# KiCad board oibus-mini-CCC_PANEL.kicad_pcb (continued)
## Routing (per net, layer and track width the routed paths; a pad name or vN(x,y) marks a point on that pad's centre or on a via; arc(x,y) is an arc through that point) (continued)
; C16#18.2 145.25,170.15 Y1#21.4 ; C16#18.2 144.35,168.26 v2(144.3,168.21) ; v2(139.9,158.01) 139.51,157.62 C15#18.1 ; Y1#21.2 146.82,172.37 C17#22.1 146.55,174.26 146.1,174.71 ; U2#22.5 189,180.89 v2(189.05,180.94) ; R23#18.2 v2(199.3,181.31) ; v2(190.8,181.01) 190.9,180.91 U2#22.4 ; v2(197.8,180.81) 197.8,180.66 196.6,179.46 U2#22.1 ; v2(220.75,159.46) 220.79,159.5 C25#18.2 ; U3#22.12 177,189.91 176.57,189.48 U3#22.EGP10 v2(177.6,187.21) ; U8#20.35 168.45,166.26 C19#20.1 166.9,165.41 v2(166.5,165.01) ; C6#22.1 v2(182,150.51) ; v2(183.6,155.01) 183.9,154.71 D5#18.1 ; v2(179.7,158.41) 179.4,158.41 179.03,158.78 U7#20.2 ; U2#18.6 v2(151.1,176.51) ; v2(171.77,174.28) 171.89,174.16 U8#20.23 ; v2(168.1,173.91) 167.96,173.77 C20#20.1 ; v2(161,166.51) 160.6,166.11 U2#18.15 ; v2(164.2,169.11) 164,168.91 U2#18.16 ; v2(150.8,168.91) U2#18.10 149.2,167.96 148.8,167.56 ; v2(152.4,164.31) 152,164.71 U2#18.11 ; v2(152.4,164.31) 152.5,164.21 ; v2(152.4,164.31) 152.71,164 C13#22.2 ; H2#18.4 163.05,145.06 C9#18.1 165.3,147.97 165.3,146.81 v2(165.1,146.61) ; J2#22.6 J2#22.6 ; J2#22.6 J2#22.6 ; v2(154.24,143.08) 154.12,143.21 J2#22.5 J2#22.6 ; v2(154.24,143.08) 153.46,143.21 ; v2(154.24,143.08) 154.34,143.21 154.85,143.21 155.3,143.66 U10#22.3 ; C26#22.1 v2(184.4,166.51) ; C26#22.1 183.79,166.72 C16#20.2 ; C26#22.1 183.8,166.5 ; v2(177.74,161.41) 177.14,162.01 C21#20.1 176.39,162.63 U8#20.47 ; v2(175.1,145.41) 175.2,145.51 D6#20.3 ; v2(163.98,175.45) 163.98,176.02 163.5,176.51 U2#18.20 ; 177.72,187.08 v2(177.6,187.21) ; v2(177.6,187.21) 177.72,187.33 U3#22.EGP9 ; v2(177.6,187.21) 177.47,187.08 U3#22.EGP7 ; v2(177.75,184.61) 177.57,184.78 U3#22.EGP1 U3#22.EGP4 U3#22.EGP3 ; v4(176.7,139.61) 177.2,140.11 C14#20.1 ; 188,153.06 188.95,153.06 189.2,152.81 189.45,153.06 190.4,153.06 ; v2(198.2,155.61) 197.8,155.21 R5#21.2 ; 188.35,153.06 188.3,153.01 ; U6#22.9 189,153.51 189.05,153.56 U6#22.8 ; C16#20.2 182.25,170.15 Y1#20.4 ; C16#20.2 181.35,168.26 v2(181.3,168.21) ; v2(176.9,158.01) 176.51,157.62 C15#20.1 ; Y1#20.2 183.82,172.37 C17#20.1 183.55,174.26 183.1,174.71 ; C22#20.1 C23#20.1 181.74,177.55 v2(182.4,178.21) ; v2(183.1,190.8) 183.79,190.11 C5#22.1 ; v2(178.9,182.11) 178.88,182.08 U3#22.30 U3#22.53 ; v2(173.2,182.21) 173.32,182.08 U3#22.26 ; U3#22.14 175,189.81 175.43,189.38 U3#22.EGP11 175.32,188.23 v2(174.3,187.21) ; v2(183.75,159.46) 183.79,159.5 C25#22.2 ; 153.4,153.06 152.45,153.06 152.2,152.81 151.95,153.06 151,153.06 ; U6#21.8 152.05,153.56 152,153.51 U6#21.9 ; U3#22.6 180.53,187.01 v2(181.35,187.83) ; v2(165.6,157.96) 165.53,158.03 P1#20.3 ; U8#20.8 177.14,169.26 v2(176.64,169.76) ; R8#18.2 149.6,188.21 v2(149.7,188.31) ; U2#18.1 159.6,179.46 160.8,180.66 v2(160.8,180.81) ; v2(152.8,160.01) 153,159.81 C18#20.2 ; v2(151.2,158.21) 150.18,158.21 149.08,159.31 SW2#22.2 ; R5#22.2 160.8,155.21 v2(161.2,155.61) ; 148.8,167.56 148.8,164.99 149.08,164.71 SW2#22.2 ; 148.8,167.56 149.2,167.56 v2(149.35,167.41) ; 151.35,153.06 151.3,153.01 ; U2#18.4 153.9,180.91 v2(153.8,181.01) ; R23#22.2 v2(162.3,181.31) ; v2(152.05,180.94) 152,180.89 U2#18.5 ; v2(174.3,187.21) 174.28,187.23 U3#22.EGP12 ; v2(174.3,187.21) 174.43,187.08 U3#22.EGP8 ; v2(189.8,160.01) 190,159.81 C18#19.2 ; SW2#18.2 186.08,159.31 187.18,158.21 v2(188.2,158.21) ; 185.8,167.56 185.8,164.99 186.08,164.71 SW2#18.2 ; 185.8,167.56 186.2,167.96 U2#22.10 v2(187.8,168.91) ; 185.8,167.56 186.2,167.56 v2(186.35,167.41) ; U3#21.6 217.53,187.01 v2(218.35,187.83) ; v2(202.6,157.96) 202.53,158.03 P1#19.3 ; v2(213.64,169.76) 214.14,169.26 U8#23.8 ; v2(214.75,184.61) 214.57,184.78 U3#21.EGP1 U3#21.EGP4 U3#21.EGP3 ; v4(213.7,139.61) 214.2,140.11 C14#19.1 ; R8#22.2 186.6,188.21 v2(186.7,188.31) ; U3#21.14 212,189.81 212.43,189.38 U3#21.EGP11 212.32,188.23 v2(211.3,187.21) ; v2(189.4,164.31) 189.71,164 C13#18.2 ; v2(189.4,164.31) 189,164.71 U2#22.11 ; v2(189.4,164.31) 189.5,164.21 ; U3#25.12 251,189.91 250.57,189.48 U3#25.EGP10 v2(251.6,187.21) ; U8#26.35 242.45,166.26 C19#26.1 240.9,165.41 v2(240.5,165.01) ; C6#25.1 v2(256,150.51) ; v2(257.6,155.01) 257.9,154.71 D5#24.1 ; v2(253.7,158.41) 253.4,158.41 253.03,158.78 U7#26.2 ; U2#24.6 v2(225.1,176.51) ; v2(245.77,174.28) 245.89,174.16 U8#26.23 ; v2(242.1,173.91) 241.96,173.77 C20#26.1 ; v2(235,166.51) 234.6,166.11 U2#24.15 ; v2(238.2,169.11) 238,168.91 U2#24.16 ; v2(224.8,168.91) U2#24.10 223.2,167.96 222.8,167.56 ; v2(226.4,164.31) 226,164.71 U2#24.11 ; v2(226.4,164.31) 226.5,164.21 ; v2(226.4,164.31) 226.71,164 C13#24.2 ; H2#24.4 237.05,145.06 C9#23.1 239.3,147.97 239.3,146.81 v2(239.1,146.61) ; J2#25.6 J2#25.6 ; J2#25.6 J2#25.6 ; v2(228.24,143.08) 228.12,143.21 J2#25.5 J2#25.6 ; v2(228.24,143.08) 227.46,143.21 ; v2(228.24,143.08) 228.34,143.21 228.85,143.21 229.3,143.66 U10#25.3 ; C26#25.1 v2(258.4,166.51) ; C26#25.1 257.79,166.72 C16#26.2 ; C26#25.1 257.8,166.5 ; v2(251.74,161.41) 251.14,162.01 C21#26.1 250.39,162.63 U8#26.47 ; v2(249.1,145.41) 249.2,145.51 D6#26.3 ; v2(237.98,175.45) 237.98,176.02 237.5,176.51 U2#24.20 ; 251.72,187.08 v2(251.6,187.21) ; v2(251.6,187.21) 251.47,187.08 U3#25.EGP7 ; v2(251.6,187.21) 251.72,187.33 U3#25.EGP9 ; v2(251.75,184.61) 251.57,184.78 U3#25.EGP1 U3#25.EGP4 U3#25.EGP3 ; v4(250.7,139.61) 251.2,140.11 C14#26.1 ; 262,153.06 262.95,153.06 263.2,152.81 263.45,153.06 264.4,153.06 ; v2(272.2,155.61) 271.8,155.21 R5#24.2 ; 262.35,153.06 262.3,153.01 ; U2#25.5 263,180.89 v2(263.05,180.94) ; R23#24.2 v2(273.3,181.31) ; v2(264.8,181.01) 264.9,180.91 U2#25.4 ; v2(271.8,180.81) 271.8,180.66 270.6,179.46 U2#25.1 ; v2(294.75,159.46) 294.79,159.5 C25#24.2 ; C26#18.1 220.79,166.72 C16#23.2 ; C26#18.1 220.8,166.5 ; C26#18.1 v2(221.4,166.51) ; C16#23.2 219.25,170.15 Y1#19.4 ; C16#23.2 218.35,168.26 v2(218.3,168.21) ; U10#18.3 192.3,143.66 191.85,143.21 191.34,143.21 v2(191.24,143.08) ; v2(213.9,158.01) 213.51,157.62 C15#23.1 ; U8#23.47 213.39,162.63 C21#23.1 214.14,162.01 v2(214.74,161.41) ; Y1#19.2 220.82,172.37 C17#19.1 220.55,174.26 220.1,174.71 ; U8#23.23 208.89,174.16 v2(208.77,174.28) ; v2(205.1,173.91) 204.96,173.77 C20#19.1 ; v2(198,166.51) 197.6,166.11 U2#22.15 ; v2(201.2,169.11) 201,168.91 U2#22.16 ; H2#22.4 200.05,145.06 C9#22.1 202.3,147.97 202.3,146.81 v2(202.1,146.61) ; J2#18.6 J2#18.6 ; J2#18.6 J2#18.6 ; v2(191.24,143.08) 191.12,143.21 J2#18.5 J2#18.6 ; v2(191.24,143.08) 190.46,143.21 ; v2(212.1,145.41) 212.2,145.51 D6#19.3 ; v2(200.98,175.45) 200.98,176.02 200.5,176.51 U2#22.20 ; 214.72,187.08 v2(214.6,187.21) ; v2(214.6,187.21) 214.72,187.33 U3#21.EGP9 ; v2(214.6,187.21) U3#21.EGP10 213.57,189.48 214,189.91 U3#21.12 ; v2(214.6,187.21) 214.47,187.08 U3#21.EGP7 ; U8#23.35 205.45,166.26 C19#22.1 203.9,165.41 v2(203.5,165.01) ; C22#19.1 C23#19.1 218.74,177.55 v2(219.4,178.21) ; v2(220.1,190.8) 220.79,190.11 C5#21.1 ; v2(215.9,182.11) 215.88,182.08 U3#21.30 U3#21.53 ; v2(210.2,182.21) 210.32,182.08 U3#21.26 ; v2(211.3,187.21) 211.28,187.23 U3#21.EGP12 ; v2(211.3,187.21) 211.43,187.08 U3#21.EGP8 ; C6#18.1 v2(219,150.51) ; v2(220.6,155.01) 220.9,154.71 D5#22.1 ; v2(216.7,158.41) 216.4,158.41 216.03,158.78 U7#19.2 ; U2#22.6 v2(188.1,176.51) ; U3#24.6 291.53,187.01 v2(292.35,187.83) ; v2(260.35,167.41) 260.2,167.56 259.8,167.56 ; 259.8,167.56 260.2,167.96 U2#25.10 v2(261.8,168.91) ; 259.8,167.56 259.8,164.99 260.08,164.71 SW2#23.2 ; v2(276.6,157.96) 276.53,158.03 P1#25.3 ; v2(287.64,169.76) 288.14,169.26 U8#27.8 ; v2(263.8,160.01) 264,159.81 C18#25.2 ; SW2#23.2 260.08,159.31 261.18,158.21 v2(262.2,158.21) ; v2(227.8,181.01) 227.9,180.91 U2#24.4 ; R23#25.2 v2(236.3,181.31) ; v2(234.8,180.81) 234.8,180.66 233.6,179.46 U2#24.1 ; v2(226.05,180.94) 226,180.89 U2#24.5 ; v2(248.3,187.21) 248.28,187.23 U3#25.EGP12 ; v2(248.3,187.21) 248.43,187.08 U3#25.EGP8 ; v2(248.3,187.21) 249.32,188.23 U3#25.EGP11 249.43,189.38 249,189.81 U3#25.14 ; R8#24.2 223.6,188.21 v2(223.7,188.31) ; v2(226.8,160.01) 227,159.81 C18#26.2 ; v2(225.2,158.21) 224.18,158.21 223.08,159.31 SW2#24.2 ; R5#25.2 234.8,155.21 v2(235.2,155.61) ; U6#25.9 226,153.51 226.05,153.56 U6#25.8 ; 222.8,167.56 222.8,164.99 223.08,164.71 SW2#24.2 ; 222.8,167.56 223.2,167.56 v2(223.35,167.41) ; 225.35,153.06 225.3,153.01 ; 225,153.06 225.95,153.06 226.2,152.81 226.45,153.06 227.4,153.06 ; v2(257.75,159.46) 257.79,159.5 C25#25.2 ; U3#25.6 254.53,187.01 v2(255.35,187.83) ; v2(239.6,157.96) 239.53,158.03 P1#26.3 ; U8#26.8 251.14,169.26 v2(250.64,169.76) ; U6#26.9 263,153.51 263.05,153.56 U6#26.8 ; C16#26.2 256.25,170.15 Y1#26.4 ; C16#26.2 255.35,168.26 v2(255.3,168.21) ; v2(250.9,158.01) 250.51,157.62 C15#26.1 ; Y1#26.2 257.82,172.37 C17#26.1 257.55,174.26 257.1,174.71 ; C22#26.1 C23#26.1 255.74,177.55 v2(256.4,178.21) ; v2(257.1,190.8) 257.79,190.11 C5#25.1 ; v2(252.9,182.11) 252.88,182.08 U3#25.30 U3#25.53 ; v2(247.2,182.21) 247.32,182.08 U3#25.26 ; U3#24.14 286,189.81 286.43,189.38 U3#24.EGP11 286.32,188.23 v2(285.3,187.21) ; v2(263.4,164.31) 263.71,164 C13#23.2 ; v2(263.4,164.31) 263,164.71 U2#25.11 ; v2(263.4,164.31) 263.5,164.21 ; v2(288.75,184.61) 288.57,184.78 U3#24.EGP1 U3#24.EGP4 U3#24.EGP3 ; v4(287.7,139.61) 288.2,140.11 C14#25.1 ; R8#25.2 260.6,188.21 v2(260.7,188.31) ; v2(277.5,165.01) 277.9,165.41 C19#27.1 279.45,166.26 U8#27.35 ; C6#23.1 v2(293,150.51) ; v2(294.6,155.01) 294.9,154.71 D5#25.1 ; v2(290.7,158.41) 290.4,158.41 290.03,158.78 U7#25.2 ; U2#25.6 v2(262.1,176.51) ; v2(282.77,174.28) 282.89,174.16 U8#27.23 ; v2(288.6,187.21) 288.73,187.33 U3#24.EGP9 ; v2(288.6,187.21) U3#24.EGP10 287.57,189.48 288,189.91 U3#24.12 ; v2(288.6,187.21) 288.48,187.08 U3#24.EGP7 ; v2(288.6,187.21) 288.73,187.08 ; C22#25.1 C23#25.1 292.74,177.55 v2(293.4,178.21) ; v2(294.1,190.8) 294.79,190.11 C5#24.1 ; v2(289.9,182.11) 289.88,182.08 U3#24.30 U3#24.53 ; v2(284.2,182.21) 284.32,182.08 U3#24.26 ; v2(285.3,187.21) 285.27,187.23 U3#24.EGP12 ; v2(285.3,187.21) 285.43,187.08 U3#24.EGP8 ; v2(279.1,173.91) 278.96,173.77 C20#25.1 ; v2(272,166.51) 271.6,166.11 U2#25.15 ; v2(275.2,169.11) 275,168.91 U2#25.16 ; H2#25.4 274.05,145.06 C9#25.1 276.3,147.97 276.3,146.81 v2(276.1,146.61) ; J2#23.6 J2#23.6 ; J2#23.6 J2#23.6 ; v2(265.24,143.08) 265.12,143.21 J2#23.5 J2#23.6 ; v2(265.24,143.08) 264.46,143.21 ; v2(265.24,143.08) 265.34,143.21 265.85,143.21 266.3,143.66 U10#23.3 ; C26#24.1 v2(295.4,166.51) ; C26#24.1 294.79,166.72 C16#27.2 ; C26#24.1 294.8,166.5 ; v2(288.74,161.41) 288.14,162.01 C21#27.1 287.39,162.63 U8#27.47 ; v2(286.1,145.41) 286.2,145.51 D6#25.3 ; v2(274.98,175.45) 274.98,176.02 274.5,176.51 U2#25.20 ; C16#27.2 293.25,170.15 Y1#25.4 ; C16#27.2 292.35,168.26 v2(292.3,168.21) ; v2(287.9,158.01) 287.51,157.62 C15#27.1 ; Y1#25.2 294.82,172.37 C17#25.1 294.55,174.26 294.1,174.71 ; v2(189.4,230.31) 189.71,230 C13#26.2 ; v2(189.4,230.31) 189,230.71 U2#30.11 ; v2(189.4,230.31) 189.5,230.21 ; v2(214.75,250.61) 214.57,250.78 U3#29.EGP1 U3#29.EGP4 U3#29.EGP3 ; v4(213.7,205.61) 214.2,206.11 C14#27.1 ; R8#30.2 186.6,254.21 v2(186.7,254.31) ; U3#29.14 212,255.81 212.43,255.38 U3#29.EGP11 212.32,254.23 v2(211.3,253.21) ; v2(203.5,231.01) 203.9,231.41 C19#29.1 205.45,232.26 U8#30.35 ; C6#26.1 v2(219,216.51) ; v2(220.6,221.01) 220.9,220.71 D5#30.1 ; v2(216.7,224.41) 216.4,224.41 216.03,224.78 U7#27.2 ; U2#30.6 v2(188.1,242.51) ; v2(208.77,240.28) 208.89,240.16 U8#30.23 ; v2(214.6,253.21) 214.72,253.33 U3#29.EGP9 ; v2(214.6,253.21) U3#29.EGP10 213.57,255.48 214,255.91 U3#29.12 ; v2(214.6,253.21) 214.47,253.08 U3#29.EGP7 ; v2(214.6,253.21) 214.72,253.08 ; C22#27.1 C23#27.1 218.74,243.55 v2(219.4,244.21) ; v2(220.1,256.8) 220.79,256.11 C5#29.1 ; v2(215.9,248.11) 215.88,248.08 U3#29.30 U3#29.53 ; v2(210.2,248.21) 210.32,248.08 U3#29.26 ; v2(211.3,253.21) 211.28,253.23 U3#29.EGP12 ; v2(211.3,253.21) 211.43,253.08 U3#29.EGP8 ; v2(205.1,239.91) 204.96,239.77 C20#27.1 ; v2(198,232.51) 197.6,232.11 U2#30.15 ; v2(201.2,235.11) 201,234.91 U2#30.16 ; H2#30.4 200.05,211.06 C9#30.1 202.3,213.97 202.3,212.81 v2(202.1,212.61) ; J2#26.6 J2#26.6 ; J2#26.6 J2#26.6 ; v2(191.24,209.08) 191.12,209.21 J2#26.5 J2#26.6 ; v2(191.24,209.08) 190.46,209.21 ; v2(191.24,209.08) 191.34,209.21 191.85,209.21 192.3,209.66 U10#26.3 ; C26#26.1 v2(221.4,232.51) ; C26#26.1 220.79,232.72 C16#30.2 ; C26#26.1 220.8,232.5 ; v2(214.74,227.41) 214.14,228.01 C21#30.1 213.39,228.63 U8#30.47 ; v2(212.1,211.41) 212.2,211.51 D6#27.3 ; v2(200.98,241.45) 200.98,242.02 200.5,242.51 U2#30.20 ; C16#30.2 219.25,236.15 Y1#27.4 ; C16#30.2 218.35,234.26 v2(218.3,234.21) ; v2(213.9,224.01) 213.51,223.62 C15#30.1 ; Y1#27.2 220.82,238.37 C17#27.1 220.55,240.26 220.1,240.71 ; 262,219.06 262.95,219.06 263.2,218.81 263.45,219.06 264.4,219.06 ; v2(272.2,221.61) 271.8,221.21 R5#31.2 ; 262.35,219.06 262.3,219.01 ; U2#32.5 263,246.89 v2(263.05,246.94) ; R23#31.2 v2(273.3,247.31) ; v2(264.8,247.01) 264.9,246.91 U2#32.4 ; v2(271.8,246.81) 271.8,246.66 270.6,245.46 U2#32.1 ; v2(294.75,225.46) 294.79,225.5 C25#31.2 ; U3#32.12 251,255.91 250.57,255.48 U3#32.EGP10 v2(251.6,253.21) ; U8#31.35 242.45,232.26 C19#31.1 240.9,231.41 v2(240.5,231.01) ; C6#32.1 v2(256,216.51) ; v2(257.6,221.01) 257.9,220.71 D5#31.1 ; v2(253.7,224.41) 253.4,224.41 253.03,224.78 U7#32.2 ; U2#31.6 v2(225.1,242.51) ; v2(245.77,240.28) 245.89,240.16 U8#31.23 ; v2(242.1,239.91) 241.96,239.77 C20#32.1 ; v2(235,232.51) 234.6,232.11 U2#31.15 ; v2(238.2,235.11) 238,234.91 U2#31.16 ; v2(224.8,234.91) U2#31.10 223.2,233.96 222.8,233.56 ; v2(226.4,230.31) 226,230.71 U2#31.11 ; v2(226.4,230.31) 226.5,230.21 ; v2(226.4,230.31) 226.71,230 C13#32.2 ; H2#31.4 237.05,211.06 C9#31.1 239.3,213.97 239.3,212.81 v2(239.1,212.61) ; J2#32.6 J2#32.6 ; J2#32.6 J2#32.6 ; v2(228.24,209.08) 228.12,209.21 J2#32.5 J2#32.6 ; v2(228.24,209.08) 227.46,209.21 ; v2(228.24,209.08) 228.34,209.21 228.85,209.21 229.3,209.66 U10#32.3 ; C26#32.1 v2(258.4,232.51) ; C26#32.1 257.79,232.72 C16#31.2 ; C26#32.1 257.8,232.5 ; v2(251.74,227.41) 251.14,228.01 C21#31.1 250.39,228.63 U8#31.47 ; v2(249.1,211.41) 249.2,211.51 D6#32.3 ; v2(237.98,241.45) 237.98,242.02 237.5,242.51 U2#31.20 ; 251.72,253.08 v2(251.6,253.21) ; v2(251.6,253.21) 251.72,253.33 U3#32.EGP9 ; v2(251.6,253.21) 251.47,253.08 U3#32.EGP7 ; v2(251.75,250.61) 251.57,250.78 U3#32.EGP1 U3#32.EGP4 U3#32.EGP3 ; v4(250.7,205.61) 251.2,206.11 C14#32.1 ; Y1#32.4 256.25,236.15 C16#31.2 ; C16#31.2 255.35,234.26 v2(255.3,234.21) ; Y1#32.2 257.82,238.37 C17#32.1 257.55,240.26 257.1,240.71 ; C22#32.1 C23#32.1 255.74,243.55 v2(256.4,244.21) ; v2(257.1,256.8) 257.79,256.11 C5#32.1 ; v2(252.9,248.11) 252.88,248.08 U3#32.30 U3#32.53 ; v2(247.2,248.21) 247.32,248.08 U3#32.26 ; U3#32.6 254.53,253.01 v2(255.35,253.83) ; v2(239.6,223.96) 239.53,224.03 P1#32.3 ; U8#31.8 251.14,235.26 v2(250.64,235.76) ; U6#32.9 263,219.51 263.05,219.56 U6#32.8 ; v2(250.9,224.01) 250.51,223.62 C15#31.1 ; v2(225.2,224.21) 224.18,224.21 223.08,225.31 SW2#32.2 ; R5#32.2 234.8,221.21 v2(235.2,221.61) ; C18#32.2 227,225.81 v2(226.8,226.01) ; U6#31.9 226,219.51 226.05,219.56 U6#31.8 ; 222.8,233.56 222.8,230.99 223.08,230.71 SW2#32.2 ; 222.8,233.56 223.2,233.56 v2(223.35,233.41) ; 225.35,219.06 225.3,219.01 ; 225,219.06 225.95,219.06 226.2,218.81 226.45,219.06 227.4,219.06 ; U2#31.4 227.9,246.91 v2(227.8,247.01) ; U3#32.14 249,255.81 249.43,255.38 U3#32.EGP11 249.32,254.23 v2(248.3,253.21) ; v2(257.75,225.46) 257.79,225.5 C25#32.2 ; R8#31.2 223.6,254.21 v2(223.7,254.31) ; U2#31.1 233.6,245.46 234.8,246.66 v2(234.8,246.81) ; R23#32.2 v2(236.3,247.31) ; v2(226.05,246.94) 226,246.89 U2#31.5 ; v2(248.3,253.21) 248.28,253.23 U3#32.EGP12 ; v2(248.3,253.21) 248.43,253.08 U3#32.EGP8 ; v2(263.8,226.01) 264,225.81 C18#31.2 ; SW2#31.2 260.08,225.31 261.18,224.21 v2(262.2,224.21) ; 259.8,233.56 259.8,230.99 260.08,230.71 SW2#31.2 ; 259.8,233.56 260.2,233.96 U2#32.10 v2(261.8,234.91) ; 259.8,233.56 260.2,233.56 v2(260.35,233.41) ; U3#31.6 291.53,253.01 v2(292.35,253.83) ; v2(276.6,223.96) 276.53,224.03 P1#31.3 ; v2(287.64,235.76) 288.14,235.26 U8#32.8 ; v2(277.5,231.01) 277.9,231.41 C19#32.1 279.45,232.26 U8#32.35 ; C6#31.1 v2(293,216.51) ; v2(294.6,221.01) 294.9,220.71 D5#32.1 ; v2(290.7,224.41) 290.4,224.41 290.03,224.78 U7#31.2 ; U2#32.6 v2(262.1,242.51) ; v2(282.77,240.28) 282.89,240.16 U8#32.23 ; v2(288.6,253.21) 288.73,253.33 U3#31.EGP9 ; v2(288.6,253.21) U3#31.EGP10 287.57,255.48 288,255.91 U3#31.12 ; v2(288.6,253.21) 288.73,253.08 ; v2(288.6,253.21) 288.48,253.08 U3#31.EGP7 ; R8#32.2 260.6,254.21 v2(260.7,254.31) ; v2(288.75,250.61) 288.57,250.78 U3#31.EGP1 U3#31.EGP4 U3#31.EGP3 ; v4(287.7,205.61) 288.2,206.11 C14#31.1 ; U3#31.14 286,255.81 286.43,255.38 U3#31.EGP11 286.32,254.23 v2(285.3,253.21) ; v2(263.4,230.31) 263.71,230 C13#31.2 ; v2(263.4,230.31) 263,230.71 U2#32.11 ; v2(263.4,230.31) 263.5,230.21 ; 294.1,240.71 294.55,240.26 C17#31.1 294.82,238.37 Y1#31.2 ; U2#32.20 274.5,242.51 274.98,242.02 v2(274.98,241.45) ; C26#31.1 294.79,232.72 C16#32.2 ; C26#31.1 294.8,232.5 ; C26#31.1 v2(295.4,232.51) ; C16#32.2 293.25,236.15 Y1#31.4 ; C16#32.2 292.35,234.26 v2(292.3,234.21) ; U10#31.3 266.3,209.66 265.85,209.21 265.34,209.21 v2(265.24,209.08) ; v2(287.9,224.01) 287.51,223.62 C15#32.1 ; U8#32.47 287.39,228.63 C21#32.1 288.14,228.01 v2(288.74,227.41) ; C22#31.1 C23#31.1 292.74,243.55 v2(293.4,244.21) ; v2(294.1,256.8) 294.79,256.11 C5#31.1 ; v2(289.9,248.11) 289.88,248.08 U3#31.30 U3#31.53 ; v2(284.2,248.21) 284.32,248.08 U3#31.26 ; v2(285.3,253.21) 285.27,253.23 U3#31.EGP12 ; v2(285.3,253.21) 285.43,253.08 U3#31.EGP8 ; v2(279.1,239.91) 278.96,239.77 C20#31.1 ; v2(272,232.51) 271.6,232.11 U2#32.15 ; v2(275.2,235.11) 275,234.91 U2#32.16 ; H2#32.4 274.05,211.06 C9#32.1 276.3,213.97 276.3,212.81 v2(276.1,212.61) ; J2#31.6 J2#31.6 ; J2#31.6 J2#31.6 ; v2(265.24,209.08) 265.12,209.21 J2#31.5 J2#31.6 ; v2(265.24,209.08) 264.46,209.21 ; v2(286.1,211.41) 286.2,211.51 D6#31.3 ; U2.6 v2(3.1,44.51) ; v2(15.98,43.45) 15.98,44.02 15.5,44.51 U2.20 ; C26.1 v2(36.4,34.51) ; C26.1 35.8,34.5 ; C26.1 35.79,34.72 C16.2 ; v2(30.9,50.11) 30.88,50.08 U3.30 U3.53 ; P1.3 17.53,26.03 v2(17.6,25.96) ; D5.1 35.9,22.71 v2(35.6,23.01) ; J2.6 J2.6 ; v2(12.8,48.81) 12.8,48.66 11.6,47.46 U2.1 ; 35.1,42.71 35.55,42.26 C17.1 35.82,40.37 Y1.2 ; R8.2 1.6,56.21 v2(1.7,56.31) ; 0.8,35.56 1.2,35.56 v2(1.35,35.41) ; 0.8,35.56 1.2,35.96 U2.10 v2(2.8,36.91) ; 0.8,35.56 0.8,32.99 1.08,32.71 SW2.2 ; v2(28.9,26.01) 28.51,25.62 C15.1 ; v2(31.7,26.41) 31.4,26.41 31.03,26.78 U7.2 ; v2(5.8,49.01) 5.9,48.91 U2.4 ; U2.5 4,48.89 v2(4.05,48.94) ; C16.2 34.25,38.15 Y1.4 ; C16.2 33.35,36.26 v2(33.3,36.21) ; U8.47 28.39,30.63 C21.1 29.14,30.01 v2(29.74,29.41) ; v2(6.24,11.08) 5.46,11.21 ; v2(6.24,11.08) 6.34,11.21 6.85,11.21 7.3,11.66 U10.3 ; v2(6.24,11.08) 6.12,11.21 J2.5 J2.6 ; v2(20.1,41.91) 19.96,41.77 C20.1 ; v2(25.2,50.21) 25.32,50.08 U3.26 ; v2(26.3,55.21) 26.43,55.08 U3.EGP8 ; v2(26.3,55.21) 26.27,55.23 U3.EGP12 ; v2(26.3,55.21) 27.32,56.23 U3.EGP11 27.43,57.38 27,57.81 U3.14 ; v2(23.77,42.28) 23.89,42.16 U8.23 ; U6.9 4,21.51 4.05,21.56 U6.8 ; v2(35.1,58.8) 35.79,58.11 C5.1 ; U2.16 16,36.91 v2(16.2,37.11) ; 5.4,21.06 4.45,21.06 4.2,20.81 3.95,21.06 3,21.06 ; v2(28.64,37.76) 29.14,37.26 U8.8 ; v2(4.4,32.31) 4,32.71 U2.11 ; v2(4.4,32.31) 4.5,32.21 ; v2(4.4,32.31) 4.71,32 C13.2 ; U2.15 12.6,34.11 v2(13,34.51) ; v2(34.4,46.21) 33.74,45.55 C23.1 C22.1 ; H2.4 15.05,13.06 C9.1 17.3,15.97 17.3,14.81 v2(17.1,14.61) ; U3.6 32.53,55.01 v2(33.35,55.83) ; J2.6 J2.6 ; U3.EGP7 29.48,55.08 v2(29.6,55.21) ; v2(29.6,55.21) 29.73,55.33 U3.EGP9 ; v2(29.6,55.21) U3.EGP10 28.57,57.48 29,57.91 U3.12 ; v2(29.6,55.21) 29.73,55.08 ; R23.2 v2(14.3,49.31) ; R5.2 12.8,23.21 v2(13.2,23.61) ; v2(29.75,52.61) 29.57,52.78 U3.EGP1 U3.EGP4 U3.EGP3 ; v2(27.1,13.41) 27.2,13.51 D6.3 ; C6.1 v2(34,18.51) ; C14.1 29.2,8.11 v4(28.7,7.61) ; C25.2 35.79,27.5 v2(35.75,27.46) ; v2(18.5,33.01) 18.9,33.41 C19.1 20.45,34.26 U8.35 ; 3.35,21.06 3.3,21.01 ; v2(4.8,28.01) 5,27.81 C18.2 ; SW2.2 1.08,27.31 2.18,26.21 v2(3.2,26.21) ; U3#2.EGP2 U3#2.EGP5 U3#2.EGP6 63.27,52.83 v2(63.3,52.81) 63.33,52.78 U3#2.EGP2 ; U3#3.EGP2 U3#3.EGP5 U3#3.EGP6 100.28,52.83 v2(100.3,52.81) 100.33,52.78 U3#3.EGP2 ; U3#4.EGP2 U3#4.EGP5 U3#4.EGP6 137.28,52.83 v2(137.3,52.81) 137.32,52.78 U3#4.EGP2 ; U3#6.EGP2 U3#6.EGP5 U3#6.EGP6 174.28,52.83 v2(174.3,52.81) 174.32,52.78 U3#6.EGP2 ; U3#5.EGP2 U3#5.EGP5 U3#5.EGP6 211.28,52.83 v2(211.3,52.81) 211.32,52.78 U3#5.EGP2 ; U3#8.EGP2 U3#8.EGP5 U3#8.EGP6 248.28,52.83 v2(248.3,52.81) 248.32,52.78 U3#8.EGP2 ; U3#7.EGP2 U3#7.EGP5 U3#7.EGP6 285.27,52.83 v2(285.3,52.81) 285.32,52.78 U3#7.EGP2 ; U3#9.EGP2 U3#9.EGP5 U3#9.EGP6 26.27,118.83 v2(26.3,118.81) 26.32,118.78 U3#9.EGP2 ; U3#11.EGP2 U3#11.EGP5 U3#11.EGP6 100.28,118.83 v2(100.3,118.81) 100.33,118.78 U3#11.EGP2 ; U3#12.EGP2 U3#12.EGP5 U3#12.EGP6 63.27,118.83 v2(63.3,118.81) 63.33,118.78 U3#12.EGP2 ; U3#10.EGP2 U3#10.EGP5 U3#10.EGP6 137.28,118.83 v2(137.3,118.81) 137.32,118.78 U3#10.EGP2 ; U3#14.EGP2 U3#14.EGP5 U3#14.EGP6 174.28,118.83 v2(174.3,118.81) 174.32,118.78 U3#14.EGP2 ; U3#13.EGP2 U3#13.EGP5 U3#13.EGP6 211.28,118.83 v2(211.3,118.81) 211.32,118.78 U3#13.EGP2 ; U3#16.EGP6 248.28,118.83 v2(248.3,118.81) 248.32,118.78 U3#16.EGP2 U3#16.EGP5 U3#16.EGP6 ; U3#15.EGP2 U3#15.EGP5 U3#15.EGP6 285.27,118.83 v2(285.3,118.81) 285.32,118.78 U3#15.EGP2 ; U3#23.EGP2 U3#23.EGP5 U3#23.EGP6 26.27,250.83 v2(26.3,250.81) 26.32,250.78 U3#23.EGP2 ; U3#27.EGP2 U3#27.EGP5 U3#27.EGP6 100.28,250.83 v2(100.3,250.81) 100.33,250.78 U3#27.EGP2 ; U3#28.EGP2 U3#28.EGP5 U3#28.EGP6 63.27,250.83 v2(63.3,250.81) 63.33,250.78 U3#28.EGP2 ; U3#30.EGP2 U3#30.EGP5 U3#30.EGP6 174.28,250.83 v2(174.3,250.81) 174.32,250.78 U3#30.EGP2 ; U3#26.EGP2 U3#26.EGP5 U3#26.EGP6 137.28,250.83 v2(137.3,250.81) 137.32,250.78 U3#26.EGP2 ; U3#17.EGP2 U3#17.EGP5 U3#17.EGP6 26.27,184.83 v2(26.3,184.81) 26.32,184.78 U3#17.EGP2 ; U3#19.EGP2 U3#19.EGP5 U3#19.EGP6 100.28,184.83 v2(100.3,184.81) 100.33,184.78 U3#19.EGP2 ; U3#20.EGP2 U3#20.EGP5 U3#20.EGP6 63.27,184.83 v2(63.3,184.81) 63.33,184.78 U3#20.EGP2 ; U3#18.EGP2 U3#18.EGP5 U3#18.EGP6 137.28,184.83 v2(137.3,184.81) 137.32,184.78 U3#18.EGP2 ; U3#22.EGP2 U3#22.EGP5 U3#22.EGP6 174.28,184.83 v2(174.3,184.81) 174.32,184.78 U3#22.EGP2 ; U3#21.EGP2 U3#21.EGP5 U3#21.EGP6 211.28,184.83 v2(211.3,184.81) 211.32,184.78 U3#21.EGP2 ; U3#25.EGP6 248.28,184.83 v2(248.3,184.81) 248.32,184.78 U3#25.EGP2 U3#25.EGP5 U3#25.EGP6 ; U3#24.EGP2 U3#24.EGP5 U3#24.EGP6 285.27,184.83 v2(285.3,184.81) 285.32,184.78 U3#24.EGP2 ; U3#29.EGP2 U3#29.EGP5 U3#29.EGP6 211.28,250.83 v2(211.3,250.81) 211.32,250.78 U3#29.EGP2 ; U3#32.EGP2 U3#32.EGP5 U3#32.EGP6 248.28,250.83 v2(248.3,250.81) 248.32,250.78 U3#32.EGP2 ; U3#31.EGP2 U3#31.EGP5 U3#31.EGP6 285.27,250.83 v2(285.3,250.81) 285.32,250.78 U3#31.EGP2 ; U3.EGP6 26.27,52.83 v2(26.3,52.81) 26.32,52.78 U3.EGP2 U3.EGP5 U3.EGP6
  Top w0.5: C11#2.1 49,49.72 49,51.81 ; U5#2.2 v1(52.8,23.41) ; v1(57.9,0.7) 57.96,0.76 R7#2.2 ; v1(65.9,16.21) C1#2.1 63.83,16.97 U1#2.2 ; C15#2.1 v1(64.9,24.41) ; v1(65.6,22.31) 65.4,22.11 C3#2.1 ; v1(72.3,4.91) 72.31,4.9 C2#2.2 72.31,1.62 v1(72.3,1.61) ; 58,5.21 57.3,5.21 v1(57.1,5.01) ; U5#4.2 v1(126.8,23.41) ; 123,51.81 123,49.72 C11#4.1 ; C11#3.1 86,49.72 86,51.81 ; U5#3.2 v1(89.8,23.41) ; v1(94.9,0.7) 94.96,0.76 R7#3.2 ; v1(102.9,16.21) C1#3.1 100.83,16.97 U1#3.2 ; C15#4.1 v1(101.9,24.41) ; v1(102.6,22.31) 102.4,22.11 C3#3.1 ; v1(109.3,4.91) 109.31,4.9 C2#4.2 109.31,1.62 v1(109.3,1.61) ; 95,5.21 94.3,5.21 v1(94.1,5.01) ; v1(139.9,16.21) C1#4.1 137.83,16.97 U1#4.2 ; C15#3.1 v1(138.9,24.41) ; v1(139.6,22.31) 139.4,22.11 C3#4.1 ; v1(146.3,4.91) 146.31,4.9 C2#3.2 146.31,1.62 v1(146.3,1.61) ; 132,5.21 131.3,5.21 v1(131.1,5.01) ; v1(131.9,0.7) 131.96,0.76 R7#4.2 ; U5#5.2 v1(163.8,23.41) ; 160,51.81 160,49.72 C11#6.1 ; v1(176.9,16.21) C1#6.1 174.83,16.97 U1#5.2 ; C15#6.1 v1(175.9,24.41) ; v1(176.6,22.31) 176.4,22.11 C3#6.1 ; v1(183.3,4.91) 183.31,4.9 C2#6.2 183.31,1.62 v1(183.3,1.61) ; 169,5.21 168.3,5.21 v1(168.1,5.01) ; v1(168.9,0.7) 168.96,0.76 R7#5.2 ; U5#6.2 v1(200.8,23.41) ; 197,51.81 197,49.72 C11#5.1 ; v1(205.9,0.7) 205.96,0.76 R7#6.2 ; v1(213.9,16.21) C1#5.1 211.83,16.97 U1#6.2 ; C15#5.1 v1(212.9,24.41) ; v1(213.6,22.31) 213.4,22.11 C3#5.1 ; v1(220.3,4.91) 220.31,4.9 C2#5.2 220.31,1.62 v1(220.3,1.61) ; 206,5.21 205.3,5.21 v1(205.1,5.01) ; 271,51.81 271,49.72 C11#8.1 ; v1(242.9,0.7) 242.96,0.76 R7#8.2 ; U5#7.2 v1(274.8,23.41) ; v1(250.9,16.21) C1#7.1 248.83,16.97 U1#8.2 ; C15#7.1 v1(249.9,24.41) ; v1(250.6,22.31) 250.4,22.11 C3#7.1 ; v1(257.3,4.91) 257.31,4.9 C2#8.2 257.31,1.62 v1(257.3,1.61) ; 243,5.21 242.3,5.21 v1(242.1,5.01) ; U5#8.2 v1(237.8,23.41) ; 234,51.81 234,49.72 C11#7.1 ; v1(279.9,0.7) 279.96,0.76 R7#7.2 ; v1(287.9,16.21) C1#8.1 285.83,16.97 U1#7.2 ; C15#8.1 v1(286.9,24.41) ; v1(287.6,22.31) 287.4,22.11 C3#8.1 ; v1(294.3,4.91) 294.31,4.9 C2#7.2 294.31,1.62 v1(294.3,1.61) ; 280,5.21 279.3,5.21 v1(279.1,5.01) ; U5#11.2 v1(89.8,89.41) ; U5#13.2 v1(52.8,89.41) ; 86,117.81 86,115.72 C11#12.1 ; 49,117.81 49,115.72 C11#13.1 ; C11#9.1 12,115.72 12,117.81 ; U5#9.2 v1(15.8,89.41) ; v1(20.9,66.7) 20.96,66.76 R7#9.2 ; v1(28.9,82.21) C1#10.1 26.83,82.97 U1#9.2 ; C15#11.1 v1(27.9,90.41) ; v1(28.6,88.31) 28.4,88.11 C3#10.1 ; v1(35.3,70.91) 35.31,70.9 C2#10.2 35.31,67.62 v1(35.3,67.61) ; 21,71.21 20.3,71.21 v1(20.1,71.01) ; v1(102.9,82.21) C1#12.1 100.83,82.97 U1#11.2 ; C15#13.1 v1(101.9,90.41) ; v1(102.6,88.31) 102.4,88.11 C3#12.1 ; v1(109.3,70.91) 109.31,70.9 C2#14.2 109.31,67.62 v1(109.3,67.61) ; 95,71.21 94.3,71.21 v1(94.1,71.01) ; v1(94.9,66.7) 94.96,66.76 R7#11.2 ; U5#12.2 v1(126.8,89.41) ; 123,117.81 123,115.72 C11#11.1 ; v1(65.9,82.21) C1#13.1 63.83,82.97 U1#13.2 ; C15#9.1 v1(64.9,90.41) ; v1(65.6,88.31) 65.4,88.11 C3#13.1 ; v1(72.3,70.91) 72.31,70.9 C2#9.2 72.31,67.62 v1(72.3,67.61) ; 58,71.21 57.3,71.21 v1(57.1,71.01) ; v1(57.9,66.7) 57.96,66.76 R7#13.2 ; v1(131.9,66.7) 131.96,66.76 R7#12.2 ; v1(139.9,82.21) C1#11.1 137.83,82.97 U1#12.2 ; C15#10.1 v1(138.9,90.41) ; v1(139.6,88.31) 139.4,88.11 C3#11.1 ; v1(146.3,70.91) 146.31,70.9 C2#13.2 146.31,67.62 v1(146.3,67.61) ; 132,71.21 131.3,71.21 v1(131.1,71.01) ; 197,117.81 197,115.72 C11#14.1 ; v1(168.9,66.7) 168.96,66.76 R7#14.2 ; U5#10.2 v1(200.8,89.41) ; v1(176.9,82.21) C1#9.1 174.83,82.97 U1#14.2 ; C15#12.1 v1(175.9,90.41) ; v1(176.6,88.31) 176.4,88.11 C3#9.1 ; v1(183.3,70.91) 183.31,70.9 C2#12.2 183.31,67.62 v1(183.3,67.61) ; 169,71.21 168.3,71.21 v1(168.1,71.01) ; U5#14.2 v1(163.8,89.41) ; 160,117.81 160,115.72 C11#10.1 ; v1(205.9,66.7) 205.96,66.76 R7#10.2 ; v1(242.9,66.7) 242.96,66.76 R7#16.2 ; 271,117.81 271,115.72 C11#16.1 ; v1(213.9,82.21) C1#14.1 211.83,82.97 U1#10.2 ; C15#14.1 v1(212.9,90.41) ; v1(213.6,88.31) 213.4,88.11 C3#14.1 ; v1(220.3,70.91) 220.31,70.9 C2#11.2 220.31,67.62 v1(220.3,67.61) ; 206,71.21 205.3,71.21 v1(205.1,71.01) ; U5#16.2 v1(237.8,89.41) ; 234,117.81 234,115.72 C11#15.1 ; U5#15.2 v1(274.8,89.41) ; v1(250.9,82.21) C1#15.1 248.83,82.97 U1#16.2 ; C15#15.1 v1(249.9,90.41) ; v1(250.6,88.31) 250.4,88.11 C3#15.1 ; v1(257.3,70.91) 257.31,70.9 C2#16.2 257.31,67.62 v1(257.3,67.61) ; 243,71.21 242.3,71.21 v1(242.1,71.01) ; v1(279.9,66.7) 279.96,66.76 R7#15.2 ; v1(287.9,82.21) C1#16.1 285.83,82.97 U1#15.2 ; C15#16.1 v1(286.9,90.41) ; v1(287.6,88.31) 287.4,88.11 C3#16.1 ; v1(294.3,70.91) 294.31,70.9 C2#15.2 294.31,67.62 v1(294.3,67.61) ; 280,71.21 279.3,71.21 v1(279.1,71.01) ; v1(20.9,198.7) 20.96,198.76 R7#24.2 ; v1(28.9,214.21) C1#25.1 26.83,214.97 U1#24.2 ; C15#25.1 v1(27.9,222.41) ; v1(28.6,220.31) 28.4,220.11 C3#25.1 ; v1(35.3,202.91) 35.31,202.9 C2#24.2 35.31,199.62 v1(35.3,199.61) ; 21,203.21 20.3,203.21 v1(20.1,203.01) ; C11#24.1 12,247.72 12,249.81 ; U5#24.2 v1(15.8,221.41) ; 86,249.81 86,247.72 C11#28.1 ; 49,249.81 49,247.72 C11#29.1 ; U5#27.2 v1(89.8,221.41) ; U5#29.2 v1(52.8,221.41) ; v1(94.9,198.7) 94.96,198.76 R7#27.2 ; U5#28.2 v1(126.8,221.41) ; 123,249.81 123,247.72 C11#27.1 ; v1(102.9,214.21) C1#28.1 100.83,214.97 U1#27.2 ; C15#29.1 v1(101.9,222.41) ; v1(102.6,220.31) 102.4,220.11 C3#28.1 ; v1(109.3,202.91) 109.31,202.9 C2#30.2 109.31,199.62 v1(109.3,199.61) ; 95,203.21 94.3,203.21 v1(94.1,203.01) ; v1(65.9,214.21) C1#29.1 63.83,214.97 U1#29.2 ; C15#21.1 v1(64.9,222.41) ; v1(65.6,220.31) 65.4,220.11 C3#29.1 ; v1(72.3,202.91) 72.31,202.9 C2#23.2 72.31,199.62 v1(72.3,199.61) ; 58,203.21 57.3,203.21 v1(57.1,203.01) ; v1(57.9,198.7) 57.96,198.76 R7#29.2 ; v1(131.9,198.7) 131.96,198.76 R7#28.2 ; 160,249.81 160,247.72 C11#26.1 ; U5#30.2 v1(163.8,221.41) ; v1(168.9,198.7) 168.96,198.76 R7#30.2 ; U5#26.2 v1(200.8,221.41) ; v1(176.9,214.21) C1#24.1 174.83,214.97 U1#30.2 ; C15#28.1 v1(175.9,222.41) ; v1(176.6,220.31) 176.4,220.11 C3#24.1 ; v1(183.3,202.91) 183.31,202.9 C2#28.2 183.31,199.62 v1(183.3,199.61) ; 169,203.21 168.3,203.21 v1(168.1,203.01) ; v1(139.9,214.21) C1#27.1 137.83,214.97 U1#28.2 ; C15#24.1 v1(138.9,222.41) ; v1(139.6,220.31) 139.4,220.11 C3#27.1 ; v1(146.3,202.91) 146.31,202.9 C2#29.2 146.31,199.62 v1(146.3,199.61) ; 132,203.21 131.3,203.21 v1(131.1,203.01) ; 197,249.81 197,247.72 C11#30.1 ; U5#19.2 v1(89.8,155.41) ; U5#21.2 v1(52.8,155.41) ; 86,183.81 86,181.72 C11#20.1 ; 49,183.81 49,181.72 C11#21.1 ; C11#17.1 12,181.72 12,183.81 ; U5#17.2 v1(15.8,155.41) ; v1(20.9,132.7) 20.96,132.76 R7#17.2 ; v1(28.9,148.21) C1#18.1 26.83,148.97 U1#17.2 ; C15#19.1 v1(27.9,156.41) ; v1(28.6,154.31) 28.4,154.11 C3#18.1 ; v1(35.3,136.91) 35.31,136.9 C2#18.2 35.31,133.62 v1(35.3,133.61) ; 21,137.21 20.3,137.21 v1(20.1,137.01) ; v1(102.9,148.21) C1#20.1 100.83,148.97 U1#19.2 ; C15#22.1 v1(101.9,156.41) ; v1(102.6,154.31) 102.4,154.11 C3#20.1 ; v1(109.3,136.91) 109.31,136.9 C2#22.2 109.31,133.62 v1(109.3,133.61) ; 95,137.21 94.3,137.21 v1(94.1,137.01) ; v1(94.9,132.7) 94.96,132.76 R7#19.2 ; U5#20.2 v1(126.8,155.41) ; 123,183.81 123,181.72 C11#19.1 ; v1(65.9,148.21) C1#21.1 63.83,148.97 U1#21.2 ; C15#17.1 v1(64.9,156.41) ; v1(65.6,154.31) 65.4,154.11 C3#21.1 ; v1(72.3,136.91) 72.31,136.9 C2#17.2 72.31,133.62 v1(72.3,133.61) ; 58,137.21 57.3,137.21 v1(57.1,137.01) ; v1(57.9,132.7) 57.96,132.76 R7#21.2 ; v1(131.9,132.7) 131.96,132.76 R7#20.2 ; v1(139.9,148.21) C1#19.1 137.83,148.97 U1#20.2 ; C15#18.1 v1(138.9,156.41) ; v1(139.6,154.31) 139.4,154.11 C3#19.1 ; v1(146.3,136.91) 146.31,136.9 C2#21.2 146.31,133.62 v1(146.3,133.61) ; 132,137.21 131.3,137.21 v1(131.1,137.01) ; 197,183.81 197,181.72 C11#22.1 ; v1(168.9,132.7) 168.96,132.76 R7#22.2 ; U5#18.2 v1(200.8,155.41) ; v1(176.9,148.21) C1#17.1 174.83,148.97 U1#22.2 ; C15#20.1 v1(175.9,156.41) ; v1(176.6,154.31) 176.4,154.11 C3#17.1 ; v1(183.3,136.91) 183.31,136.9 C2#20.2 183.31,133.62 v1(183.3,133.61) ; 169,137.21 168.3,137.21 v1(168.1,137.01) ; U5#22.2 v1(163.8,155.41) ; 160,183.81 160,181.72 C11#18.1 ; v1(205.9,132.7) 205.96,132.76 R7#18.2 ; v1(242.9,132.7) 242.96,132.76 R7#25.2 ; 271,183.81 271,181.72 C11#25.1 ; v1(213.9,148.21) C1#22.1 211.83,148.97 U1#18.2 ; C15#23.1 v1(212.9,156.41) ; v1(213.6,154.31) 213.4,154.11 C3#22.1 ; v1(220.3,136.91) 220.31,136.9 C2#19.2 220.31,133.62 v1(220.3,133.61) ; 206,137.21 205.3,137.21 v1(205.1,137.01) ; U5#25.2 v1(237.8,155.41) ; 234,183.81 234,181.72 C11#23.1 ; U5#23.2 v1(274.8,155.41) ; v1(250.9,148.21) C1#23.1 248.83,148.97 U1#25.2 ; C15#26.1 v1(249.9,156.41) ; v1(250.6,154.31) 250.4,154.11 C3#23.1 ; v1(257.3,136.91) 257.31,136.9 C2#26.2 257.31,133.62 v1(257.3,133.61) ; 243,137.21 242.3,137.21 v1(242.1,137.01) ; v1(279.9,132.7) 279.96,132.76 R7#23.2 ; v1(287.9,148.21) C1#26.1 285.83,148.97 U1#23.2 ; C15#27.1 v1(286.9,156.41) ; v1(287.6,154.31) 287.4,154.11 C3#26.1 ; v1(294.3,136.91) 294.31,136.9 C2#25.2 294.31,133.62 v1(294.3,133.61) ; 280,137.21 279.3,137.21 v1(279.1,137.01) ; v1(205.9,198.7) 205.96,198.76 R7#26.2 ; v1(213.9,214.21) C1#30.1 211.83,214.97 U1#26.2 ; C15#30.1 v1(212.9,222.41) ; v1(213.6,220.31) 213.4,220.11 C3#30.1 ; v1(220.3,202.91) 220.31,202.9 C2#27.2 220.31,199.62 v1(220.3,199.61) ; 206,203.21 205.3,203.21 v1(205.1,203.01) ; R7#32.2 242.96,198.76 v1(242.9,198.7) ; 271,249.81 271,247.72 C11#32.1 ; U5#31.2 v1(274.8,221.41) ; v1(250.9,214.21) C1#31.1 248.83,214.97 U1#32.2 ; C15#31.1 v1(249.9,222.41) ; v1(250.6,220.31) 250.4,220.11 C3#31.1 ; v1(257.3,202.91) 257.31,202.9 C2#32.2 257.31,199.62 v1(257.3,199.61) ; 243,203.21 242.3,203.21 v1(242.1,203.01) ; 234,249.81 234,247.72 C11#31.1 ; U5#32.2 v1(237.8,221.41) ; v1(279.9,198.7) 279.96,198.76 R7#31.2 ; v1(287.9,214.21) C1#32.1 285.83,214.97 U1#31.2 ; C15#32.1 v1(286.9,222.41) ; v1(287.6,220.31) 287.4,220.11 C3#32.1 ; v1(294.3,202.91) 294.31,202.9 C2#31.2 294.31,199.62 v1(294.3,199.61) ; 280,203.21 279.3,203.21 v1(279.1,203.01) ; C15.1 v1(27.9,24.41) ; 12,51.81 12,49.72 C11.1 ; U1.2 26.83,16.97 C1.1 v1(28.9,16.21) ; R7.2 20.96,0.76 v1(20.9,0.7) ; v1(35.3,4.91) 35.31,4.9 C2.2 35.31,1.62 v1(35.3,1.61) ; v1(20.1,5.01) 20.3,5.21 21,5.21 ; v1(28.6,22.31) 28.4,22.11 C3.1 ; U5.2 v1(15.8,23.41)